# Altium PCB base-board_2.PcbDoc (part 1 of 3) (continued)
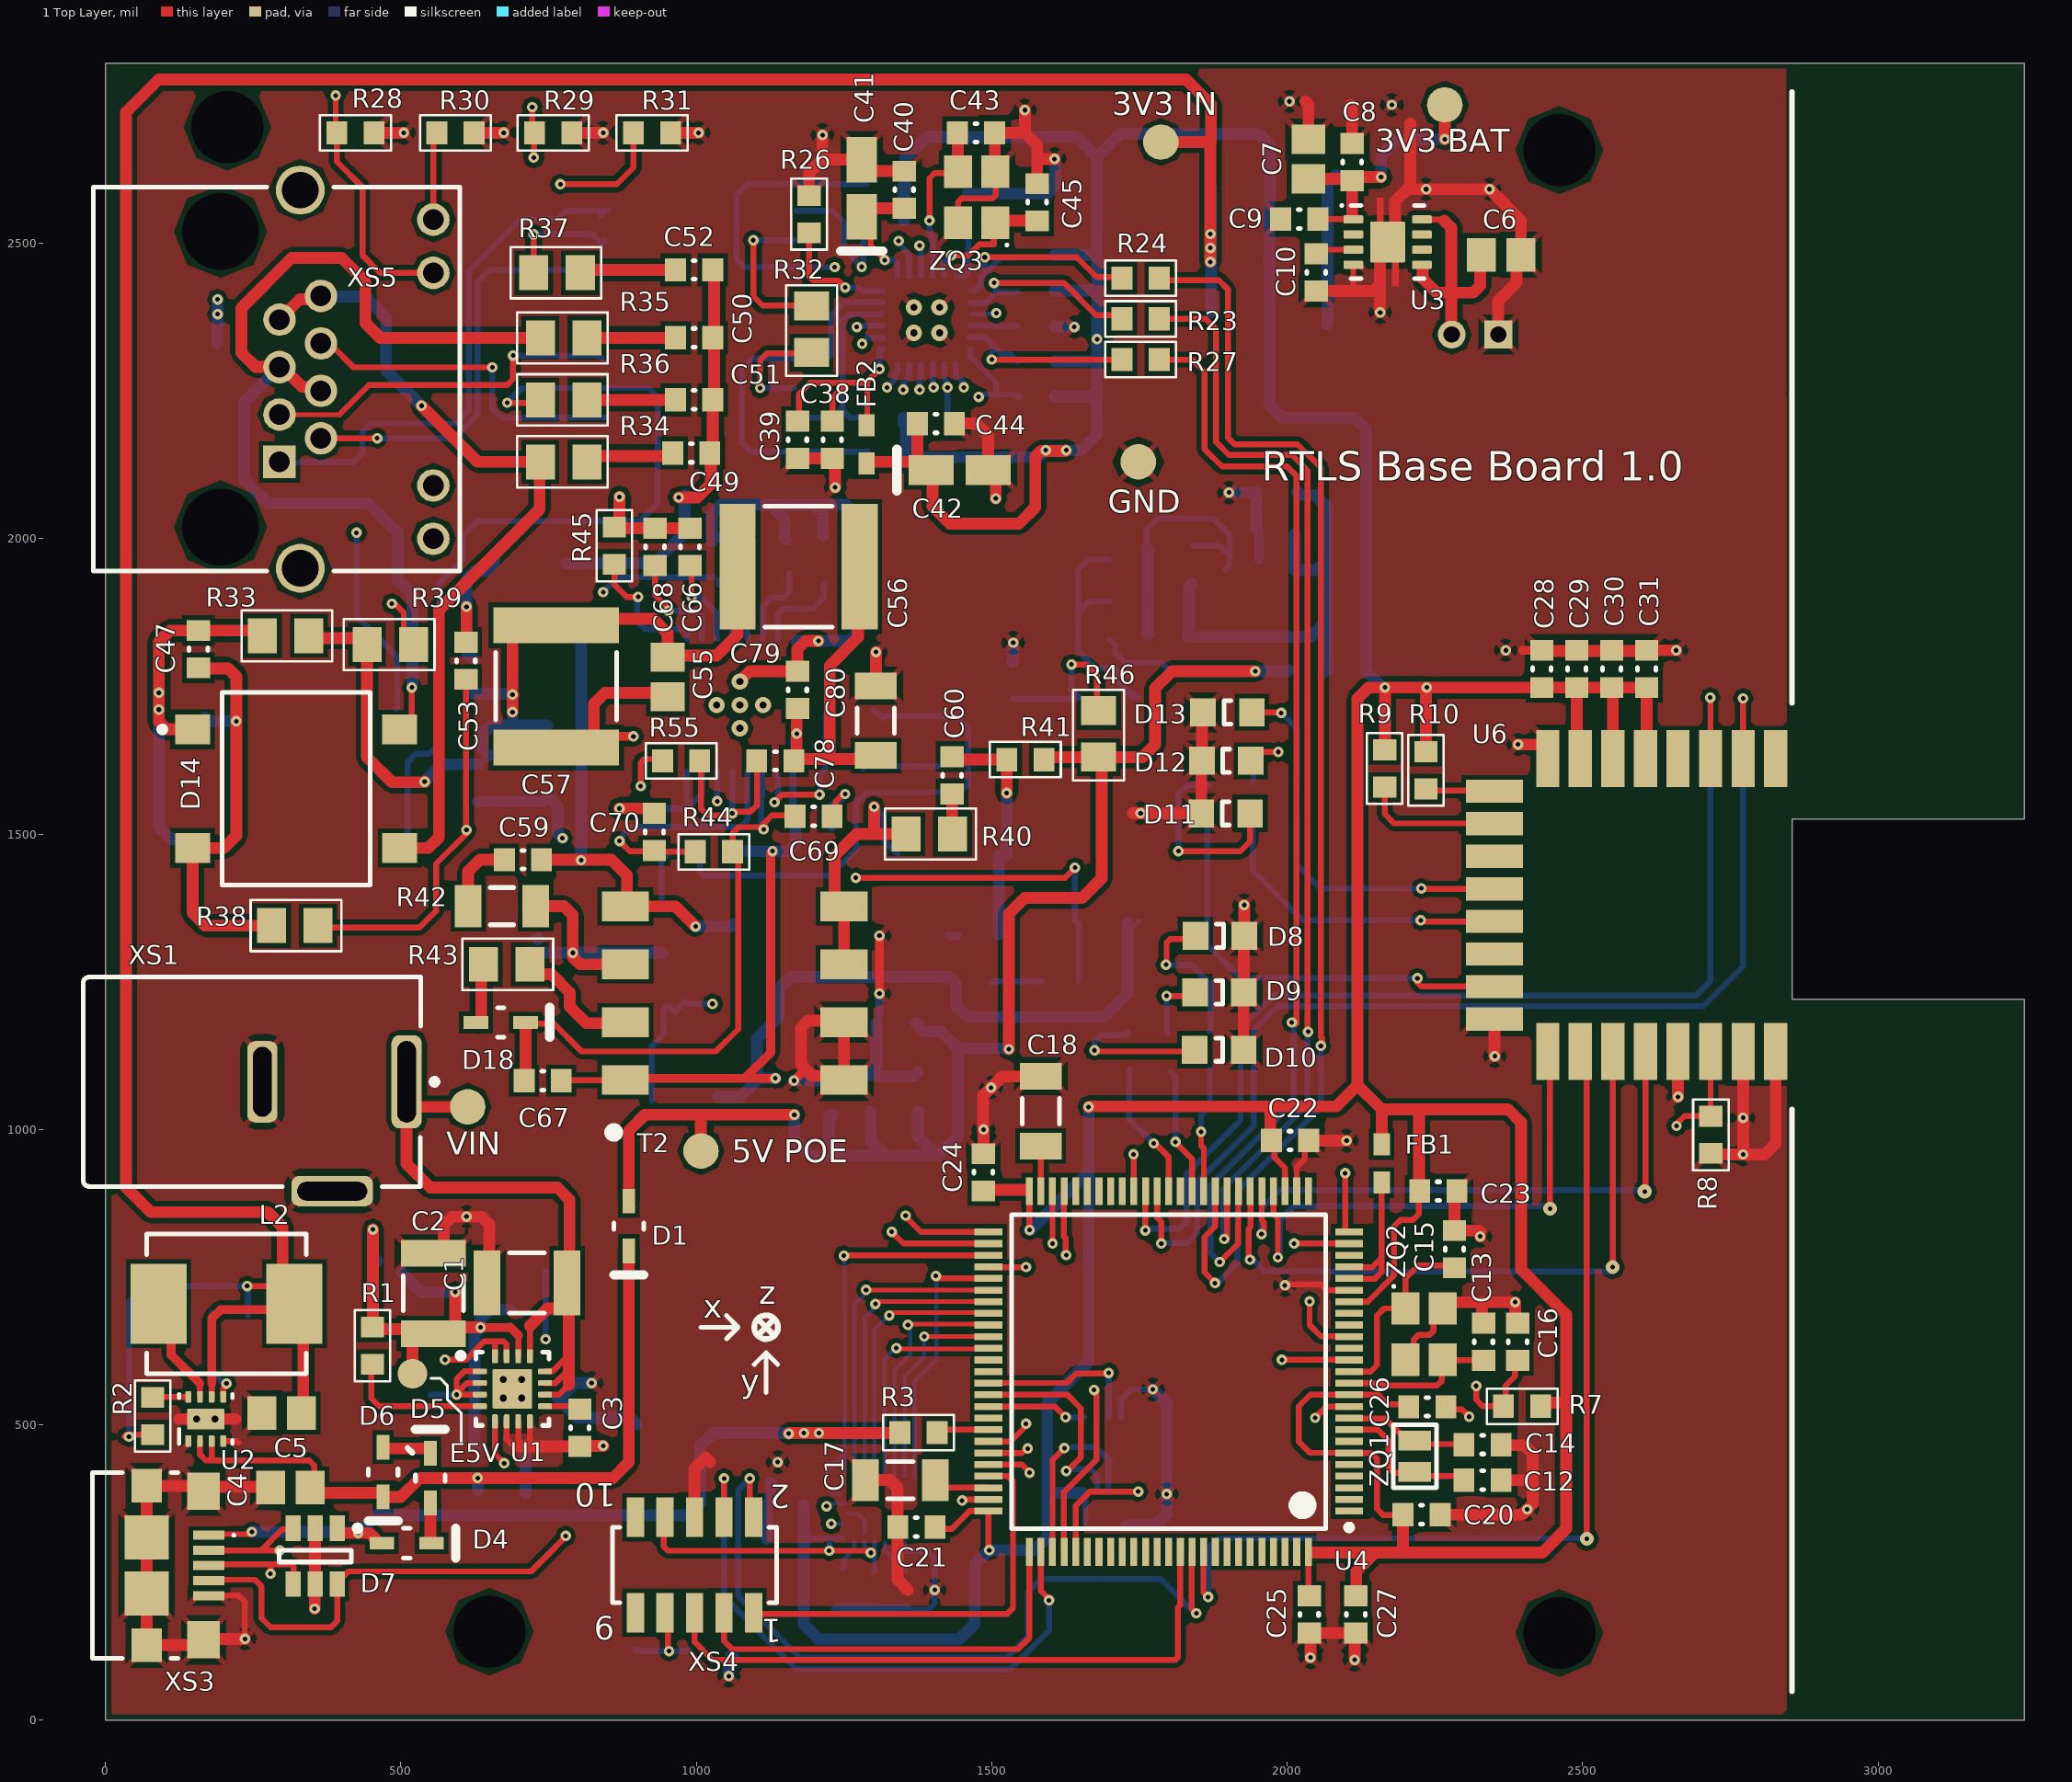
[diagram p0: 1 Top Layer view]
## Components (designator, comment, footprint, x,y, rotation, side; value= is the part's Value field where it differs from the comment)
C1 "C1210" C1210 645.67,740.16 r0 top value=10uF
C2 "C1210" C1210 555.12,790.35 r270 top value=22uF
C3 "C0603" C0603 803.15,463.58 r90 top value=3.3nF
C4 "C0805" C0805 279.53,393.7 r0 top value=10uF
C5 "C0805" C0805 265,520 r0 top value=22uF
C6 "C0805" C0805 2395.67,2480.31 r180 top value=1uF
C7 "C0805" C0805 2036,2675.93 r270 top value=1nF
C8 "C0603" C0603 2110,2668.99 r270 top value=100nF
C9 "C0603" C0603 1989.01,2541 r0 top value=10uF
C10 "C0603" C0603 2049.21,2419.29 r90 top value=10nF
C11 "C0603" C0603 1728,330 r180 bottom value=100nF
C12 "C0603" C0603 2362.2,406.5 r180 top value=12pF
C13 "C0603" C0603 2332.36,609.29 r90 top value=12pF
C14 "C0603" C0603 2362.2,466.54 r180 top value=12pF
C15 "C0603" C0603 2283,766 r90 top value=12pF
C16 "C0603" C0603 2390,671.99 r270 top value=100nF
C17 "C1206" C1206(3216) 1286.38,406.54 r0 top value=2.2uF
C18 "C1206" C1206(3216) 1583,1090.11 r270 top value=2.2uF
C19 "C0603" C0603 1058.99,110 r180 bottom value=100nF
C20 "C0603" C0603 2258.99,348 r180 top value=100nF
C21 "C0603" C0603 1341,327 r0 top value=100nF
C22 "C0603" C0603 2036.42,981.3 r180 top value=100nF
C23 "C0603" C0603 2287.4,895.67 r180 top value=100nF
C24 "C0603" C0603 1486,959 r270 top value=100nF
C25 "C0603" C0603 2037.4,147.64 r90 top value=100nF
C26 "C0603" C0603 2268.7,530.51 r180 top value=100nF
C27 "C0603" C0603 2116.14,210.63 r270 top value=4.7uF
C28 "C0603" C0603 2431.1,1748.03 r90 top value=1uF
C29 "C0603" C0603 2490.16,1748.03 r90 top value=100nF
C30 "C0603" C0603 2549.21,1748.03 r90 top value=100nF
C31 "C0603" C0603 2608.27,1748.03 r90 top value=100nF
C32 "C0603" C0603 1239,251 r270 bottom value=100nF
C33 "C0603" C0603 1355,187.01 r90 bottom value=10nF
C34 "C0603" C0603 1298,251 r270 bottom value=1uF
C35 "C0603" C0603 1182,364 r180 bottom value=100nF
C36 "C0603" C0603 1182,307 r180 bottom value=100nF
C37 "C0603" C0603 1459.65,2520.67 r90 bottom value=470pF
C38 "C0603" C0603 1230.32,2198.82 r270 top value=1uF
C39 "C0603" C0603 1171.26,2198.82 r270 top value=100nF
C40 "C0603" C0603 1351.81,2559.06 r90 top value=100nF
C41 "TPSA106K010R0900" TPSA106K010R1800 1280,2545 r90 top value=10uF
C42 "TPSA106K010R0900" TPSA106K010R1800 1397.64,2116.14 r0 top value=10uF
C43 "C0603" C0603 1441.93,2687.01 r0 top value=12pF
C44 "C0603" C0603 1374.02,2194.88 r0 top value=100nF
C45 "C0603" C0603 1577,2538 r90 top value=12pF
C46 "C0603" C0603 610.24,1803.15 r270 bottom value=1nF
C47 "C0603" C0603 157.48,1781.5 r90 top value=1nF
C48 "C0805" C0805 630,1555 r90 bottom value=100nF
C49 "C0603" C0603 1022.99,2145 r180 top value=1nF
C50 "C0603" C0603 1027.99,2340 r180 top value=1nF
C51 "C0603" C0603 1027.99,2235 r180 top value=1nF
C52 "C0603" C0603 1027.99,2455 r180 top value=1nF
C53 "C0603" C0603 610.24,1761.81 r90 top value=1nF
C54 "C1206" C1206(3216) 661.42,1964.57 r0 bottom value=1nF
C55 "C0805" C0805 951.77,1732.28 r90 top value=100nF
C56 "C2220" C2220 1276.57,1952.76 r180 top value=4.7uF
C57 "C2220" C2220 762.8,1646.65 r90 top value=4.7uF
C58 "C2220" C2220 1134,1363.69 r270 bottom value=4.7uF
C59 "C0603" C0603 675.2,1456.69 r0 top value=27pF
C60 "C0603" C0603 1433,1630.99 r270 top value=560pF
C61 "C0805" C0805 1305,1180 r0 bottom value=47uF
C62 "C0805" C0805 1375,1096.93 r270 bottom value=47uF
C63 "C0805" C0805 1295,1096.93 r270 bottom value=47uF
C64 "C0603" C0603 1225,1025 r90 bottom value=100nF
C65 "C0805" C0805 1445,1330 r0 bottom value=47uF
C66 "C0603" C0603 989.41,1954.57 r90 top value=10nF
C67 "C0603" C0603 771.65,1082.68 r180 top value=1uF
C68 "C0603" C0603 930.35,1954.57 r90 top value=100nF
C69 "C0603" C0603 1230,1530 r180 top value=100nF
C70 "C0603" C0603 929,1534.99 r270 top value=100nF
C71 "C0603" C0603 1535.43,1728.35 r90 bottom value=1uF
C72 "C0603" C0603 1026.57,1995.08 r270 bottom value=1nF
C73 "C0603" C0603 1152.56,2000 r270 bottom value=10nF
C74 "C0603" C0603 1840,1924 r90 bottom value=100pF
C75 "C0603" C0603 1437.01,1250 r0 bottom value=100nF
C76 "C0603" C0603 1762.99,1894 r180 bottom value=10nF
C77 "C0603" C0603 1765,1835 r180 bottom value=22nF
C78 "C0603" C0603 1165.35,1624.02 r180 top value=470pF
C79 "C0603" C0603 1171.26,1712.6 r90 top value=1nF
C80 "C1206" C1206(3216) 1304,1632.89 r90 top value=1nF
D1 "BAT60A" SOD-323-2 885.83,836.61 r270 top
D2 "BAT60A" SOD-323-2 669.29,462.6 r0 bottom
D3 "BAT60A" SOD-323-2 672.05,383.86 r180 bottom
D4 "BAT60A" SOD-323-2 510,300 r0 top
D5 "BAT60A" SOD-323-2 550,410 r90 top
D6 "BAT60A" SOD-323-2 470,420 r270 top
D7 "ESDA6V1BC6" SOT-23-6 355,277.76 r270 top
D8 "LED0805" LED0805 1886.27,1327.92 r180 top
D9 "LED0805" LED0805 1885.34,1232 r180 top
D10 "LED0805" LED0805 1885,1135 r180 top
D11 "LED0805" LED0805 1896,1535 r0 top
D12 "LED0805" LED0805 1897,1624 r0 top
D13 "LED0805" LED0805 1899,1706 r0 top
D14 "DF01S" SDIP-4 147.64,1677.17 r270 top
D15 "DF01S" SDIP-4 159.61,1489.21 r90 bottom
D16 "SMAJ58A" DO-214AC-2_N 748.03,1624.02 r90 bottom
D17 "STPS2L40U" SMB-2 1427.17,1466.54 r0 bottom
D18 "BAT46J" SOD-323-2 669.29,1181.1 r0 top
D19 "BAT46J" SOD-323-2 1405,1660 r270 bottom
FB1 "BLM18PG121SN1D" BLM18 2160,910 r90 top
FB2 "BLM18PG121SN1D" BLM18 1288,2191.96 r270 top
L1 "LQH55PN2R2NR0" IND2220 501.97,527.87 r90 bottom value=2.2uH
L2 "LQH55PN2R2NR0" IND2220 90,705 r0 top value=2.2uH
L3 "ME3220" ME3220 793.31,1843.5 r180 bottom
R1 "R0603" SMD0603 452,634 r90 top value=100k
R2 "R0603" SMD0603 80,515 r270 top value=100k
R3 "" SMD0603 1376,487 r0 top value=10K
R4 "1K" SMD0603 1870.08,1133.86 r270 bottom
R5 "" SMD0603 1801.18,1131.89 r270 bottom value=1K
R6 "" SMD0603 1732.28,1133.86 r270 bottom value=1K
R7 "R0603" SMD0603 2397.64,531.5 r0 top value=4.7K
R8 "10K" SMD0603 2717,991 r90 top value=1K
R9 "R0603" SMD0603 2165,1611 r90 top value=10K
R10 "R0603" SMD0603 2235,1608 r90 top value=10K
R11 "1K" SMD0603 1868,1553 r270 bottom
R12 "1K" SMD0603 1942,1555 r270 bottom
R13 "1K" SMD0603 2018,1560 r270 bottom
R14 "R0603" SMD0603 1318.9,2543.31 r0 bottom value=50
R15 "R0603" SMD0603 1318.9,2602.36 r0 bottom value=50
R16 "R0603" SMD0603 1322.83,2129.92 r0 bottom value=50
R17 "R0603" SMD0603 1318.9,2204.72 r0 bottom value=50
R18 "R0603" SMD0603 1575,2420 r0 bottom value=10K
R19 "R0603" SMD0603 1575,2480 r0 bottom value=10K
R20 "R0603" SMD0603 1575,2300 r0 bottom value=10K
R21 "R0603" SMD0603 1575,2240 r0 bottom value=10K
R22 "R0603" SMD0603 1433.07,2169.29 r270 bottom value=10K
R23 "R0603" SMD0603 1751.97,2372.05 r0 top value=33
R24 "R0603" SMD0603 1751.97,2440.94 r0 top value=33
R25 "R0603" SMD0603 1575,2360 r180 bottom value=10K
R26 "R0603" SMD0603 1190.94,2549.21 r270 top value=12K1
R27 "R0603" SMD0603 1751.97,2303.15 r0 top value=33
R28 "R0603" SMD0603 423.23,2687.01 r180 top value=10K
R29 "R0603" SMD0603 757.87,2687.01 r180 top value=10K
R30 "R0603" SMD0603 592.52,2687.01 r180 top value=330
R31 "R0603" SMD0603 925.2,2687.01 r180 top value=330
R32 "R0805" SMD0805 1195,2393.74 r270 top value=0
R33 "R0805" SMD0805 265.75,1835.63 r0 top value=0
R34 "R0805" SMD0805 815,2130 r180 top value=75
R35 "R0805" SMD0805 815,2340 r180 top value=75
R36 "R0805" SMD0805 815,2235 r180 top value=75
R37 "R0805" SMD0805 803.74,2450 r180 top value=75
R38 "R0805" SMD0805 281.26,1345 r0 top value=0
R39 "R0805" SMD0805 521.65,1820.87 r180 top value=10
R40 "R0805" SMD0805 1355,1500 r0 top value=15
R41 "R0603" SMD0603 1557,1626 r0 top value=0
R42 "R1206" R1206(3216) 671.26,1377.95 r0 top value=200
R43 "R0805" SMD0805 639.76,1279.53 r0 top value=68
R44 "R0603" SMD0603 1030,1470 r180 top value=10K
R45 "R0603" SMD0603 861.46,1988.03 r90 top value=124K
R46 "R0805" SMD0805 1681,1709 r270 top value=0
R47 "R0603" SMD0603 1198,1513 r0 bottom value=0
R48 "R0603" SMD0603 1616,1251 r0 bottom value=1K
R49 "R0603" SMD0603 1088.58,1971.46 r270 bottom value=2K
R50 "R0805" SMD0805 1232.28,1700.79 r0 bottom value=56
R51 "R0603" SMD0603 1216.54,1974.41 r270 bottom value=75K
R52 "R0603" SMD0603 1250,1614.17 r0 bottom value=0
R53 "R0603" SMD0603 1733,1980 r180 bottom value=1K
R54 "R0603" SMD0603 2033.5,1780 r0 bottom value=20K
R55 "R0603" SMD0603 974.41,1624.02 r180 top value=510
R56 "R0603" SMD0603 1834,1803 r270 bottom value=10K
R57 "R1206" R1206(3216) 982,1048 r180 bottom value=0.47
R58 "R0603" SMD0603 1038,1471 r180 bottom value=10K
R59 "R0603" SMD0603 1984.25,2015.75 r180 bottom value=13K
R60 "R0603" SMD0603 1980,2078 r180 bottom value=13K
R61 "R0805" SMD0805 188.74,2330 r180 bottom value=0
R62 "R0603" SMD0603 715,695 r180 bottom value=383k
R63 "R0603" SMD0603 715,765 r0 bottom value=123k
R64 "R0603" SMD0603 210,685 r0 bottom value=383k
R65 "R0603" SMD0603 210,615 r180 bottom value=123k
SB1 "FSMSM" FSMSM-2 900,320 r90 bottom
SW1 "JS202011SCQN" JS202011SCQN 1970,2485 r180 bottom
T1 "H2019NL" H2019NL 1006.4,2380.12 r180 bottom
T2 "POE30P-50L" POE30P 880,1083.53 r0 top
U1 "TPS62143" QFN-16 688.98,561.02 r0 top
U2 "TPS62162" SON-8 170,510 r90 top
U3 "TPS73633DRBR" VSON-8 2170,2502 r0 top
U4 "STM32F207VET6" STM-LQFP100_V 2104.8,354.05 r180 top
U5 "MX25L1606EMI-12G" SOP-8 1688,450 r270 bottom
U6 "DWM1000" DWM1000 2342.52,1635.63 r270 top
U7 "LSM9DS1" STM-LGA-24_3500X3000X1000 1310.14,357.95 r0 bottom
U8 "LAN8742A" QFN-24 1390,2370 r270 bottom
U9 "PM8800A" HTSSOP16 1073.82,1718.5 r270 bottom
U10 "SFH6156" SFH6156(VISH) 1698,1543 r270 bottom
U11 "TS431" SOT-23-5 1959,1909 r0 bottom
VT1 "STN4NF20L" SOT-223 826.77,1299.21 r180 bottom
XS1 "PowerJack" PowerJack 265.75,1080.71 r180 top
XS2 "S2B-PH-K-S" S2B-PH-K-S 2317.91,2249.02 r180 bottom
XS3 "TE-1981568" TECO-1981568-5_V 175.16,262.01 r270 top
XS4 "PLD1.27-10S" PLD1.27-10S 1097,182 r180 top
XS5 "DS1128-09" RJ45-AMPH 329.8,2269.92 r270 top
ZQ1 "32.768kHz" DST210A 2216.12,446.86 r270 top
ZQ2 "12 MHz" NX3225 2231.61,653.74 r270 top
ZQ3 "12 MHz" NX3225 1474.41,2577.76 r90 top

## Footprints (in the part's own frame and the unit in brackets; to place one, negate y for a bottom-side part, rotate by r counter-clockwise, add the part's x,y. Pads: shape width x height; smd on the part's side, far side on the other; paste and mask are expansions set on the pad)
BLM18 [mm] "MURATA, Chip Ferrite Bead, 2-Leads, Body 1.6x0.8mm, Height 0.95mm, Flow"
  rect 0.95x0.7 smd: 1(0,0) 2(1.65,0)
  body extent 0.02,-0.4 1.63,0.4, height 0.95
C0603 [mm] "Chip Capacitor, Body 1.6x0.8mm, Height 1.0mm, IPC Medium Density"
  rect 0.9x1 smd: 1(0,0) 2(1.6,0)
  silkscreen extent 0.75,-0.4 0.85,0.4, body extent -0.08,-0.48 1.68,0.47, height 1
C0805 [mm] "Chip Capacitor, 2-Leads, Body 2.00x1.25mm, IPC Medium Density"
  rect 1.25x1.45 smd: 1(0,0) 2(1.7,0)
  body extent -0.23,-0.7 1.92,0.7, height 1.4
C1206(3216) [mm] "Chip Capacitor, Body 3.2x1.6mm, Height 1.1mm, IPC Medium Density"
  rect 1.15x1.8 smd: 1(0,0) 2(3,0)
  silkscreen extent 0.95,-0.8 2.05,0.8, body extent -0.2,-0.9 3.2,0.9, height 1.1
C1210 [mm] "Chip Capacitor, 2-Leads, Body 3.5x2.7mm, IPC Medium Density"
  rect 1.15x2.8 smd: 1(0,0) 2(3.45,0)
  silkscreen extent 0.97,-1.3 2.47,1.3, body extent -0.03,-1.35 3.47,1.35, height 2.7
C2220 [mm] "Chip Capacitor, Body 5.7x5.0mm, Height 2.3mm, IPC Medium Density"
  rect 1.55x5.4 smd: 1(0,0) 2(5.25,0)
  silkscreen extent 1.17,-2.6 4.08,2.6, body extent -0.43,-2.7 5.68,2.7, height 2.3
DO-214AC-2_N [mm] "DO-214AC, 2-Leads, Body 4.5x2.79mm, IPC Medium Density"
  rect 2.4x1.55 smd: 1(-1.778,0) 2(1.778,0)
  silkscreen extent -2.25,-1.4 3.43,1.4, body extent -2.25,-1.4 2.25,1.39, height 2.29
DST210A [mm]
  rect 0.85x1.4 smd: 1(-0.675,0) 2(0.675,0)
  silkscreen extent -1.35,-0.92 1.35,0.92, body extent -0.9,-0.6 0.9,0.6, height 0.5
DWM1000 [mm]
  rect 2.45x1 smd: 1(0.205,12.3) 2(0.205,10.9) 3(0.205,9.5) 4(0.205,8.1) 5(0.205,6.7) 6(0.205,5.3) 7(0.205,3.9) 8(0.205,2.5) 17(12.795,2.5) 18(12.795,3.9) 19(12.795,5.3) 20(12.795,6.7) 21(12.795,8.1) 22(12.795,9.5) 23(12.795,10.9) 24(12.795,12.3)
  rect 1x2.45 smd: 9(1.6,0.205) 10(3,0.205) 11(4.4,0.205) 12(5.8,0.205) 13(7.2,0.205) 14(8.6,0.205) 15(10,0.205) 16(11.4,0.205)
  body extent 0,-0.01 13,22.99, height 2.9
FSMSM-2 [mm] "Switch SMD, 2-Leads, Body 6x3.5mm, Pitch 9.19mm"
  rect 2.2x1.6 smd: 1(-4.595,0)
  rect 2.18x1.6 smd: 2(4.595,0)
  silkscreen extent -6.37,-1.75 3,1.75, body extent -4.98,-1.75 4.98,1.75, height 4.4
H2019NL [mm]
  rect 2.035x0.76 smd: 1(-4.062,4.445) 2(-4.062,3.175) 3(-4.062,1.905) 4(-4.062,0.635) 5(-4.062,-0.635) 6(-4.062,-1.905) 7(-4.062,-3.175) 8(-4.062,-4.445) 9(4.062,-4.445) 10(4.062,-3.175) 11(4.062,-1.905) 12(4.062,-0.635) 13(4.062,0.635) 14(4.062,1.905) 15(4.062,3.175) 16(4.062,4.445)
  silkscreen extent -6.2,-6.35 4.4,6.35, body extent -3.68,-6.35 3.68,6.35, height 6
HTSSOP16 [mm] "TSOP, 16-Leads, Body 5x4.4mm, Pitch 0.65mm, Thermal Pad 3x3mm, IPC Medium Density"
  oval 1.7x0.35 smd: 1(-2.85,2.275) 2(-2.85,1.625) 3(-2.85,0.975) 4(-2.85,0.325) 5(-2.85,-0.325) 6(-2.85,-0.975) 7(-2.85,-1.625) 8(-2.85,-2.275) 9(2.85,-2.275) 10(2.85,-1.625) 11(2.85,-0.975) 12(2.85,-0.325) 13(2.85,0.325) 14(2.85,0.975) 15(2.85,1.625) 16(2.85,2.275)
  rect 3x3 smd paste-1.5: 17(0,0)
  silkscreen extent -2.97,-2.55 1.6,3.12, body extent -2.25,-2.55 2.25,2.55, height 1.2
IND2220 [mil] "IND SMD"
  rect 95x135 smd: 1(0,0) 2(230,0)
  silkscreen extent -20,-118 250,118, body extent 3,-98 227,98, height 185
JS202011SCQN [mm] "Switch, SMD, 6-Leads, Body 9x3.6mm, Pitch 2.5mm"
  rect 1.2x2.5 smd: 1(-2.5,-2.75) 2(0,-2.75) 3(2.5,-2.75) 4(-2.5,2.75) 5(0,2.75) 6(2.5,2.75)
  silkscreen extent -4.5,-4.67 4.5,1.8, body extent -4.5,-1.8 4.5,1.8, height 5.5
LED0805 [mm] "Chip LED, 2-Leads, Body 2.0x1.3mm, IPC Medium Density"
  rect 1.1x1.2 smd: 1(-1.05,0) 2(1.05,0)
  silkscreen extent -0.15,-0.5 0.15,0.5, body extent -1,-0.62 1,0.63, height 0.68
ME3220 [mm]
  rect 1.5x3 smd: 1(0,0) 2(2.5,0)
  silkscreen extent 0,-1.7 2.5,1.7, body extent -0.5,-1.4 3,1.4, height 2.4
NX3225 [mm]
  rect 1.4x1.2 smd: 1(-1.1,-0.8) 2(1.1,-0.8) 3(1.1,0.8) 4(-1.1,0.8)
  silkscreen extent -2.1,-1.35 -2,-1.25, body extent -1.65,-1.3 1.65,1.3, height 0.9
PLD1.27-10S [mm] "Socket Header, Pitch 1.27 mm, SMT, Vertical, dual row, 10p"
  rect 0.74x1.7 smd: 1(0,0) 2(0,-4.1) 3(1.27,0) 4(1.27,-4.1) 5(2.54,0) 6(2.54,-4.1) 7(3.81,0) 8(3.81,-4.1) 9(5.08,0) 10(5.08,-4.1)
  silkscreen extent -0.98,-3.68 6.06,-0.43, body extent -0.84,-4.35 5.91,0.25, height 4.6
POE30P [mil]
  rect 80x50 smd: 1(0,0) 2(0,98) 3(0,196) 4(0,294) 5(370,294) 6(370,196) 7(370,98) 8(370,0)
  silkscreen extent -28,-96 -12,-81, body extent -67,-67 453,363, height 355
PowerJack [mm] "Power Jack, 3-Leads, Body 14.5x9mm"
  rrect50% 1.3x4 hole 0.8 slot 3.5 at 90 deg: 1(-6.2,0)
  rrect50% 1.3x3.5 hole 0.8 slot 3 at 90 deg: 2(0,0)
  rrect50% 3.5x1.3 hole 0.8 slot 3 at 0 deg: 3(-3,4.7)
  silkscreen extent -7.53,-4.5 7.7,4.5, body extent -6.8,-4.5 7.7,4.9, height 10.8
QFN-16 [mm] "QFN, 16-Leads, Body 3x3mm, Pitch 0.5mm, Thermal Pad 1.65x1.65mm"
  rrect40% 0.6x0.25 smd: 1(-1.4,0.75) 2(-1.4,0.25) 3(-1.4,-0.25) 4(-1.4,-0.75) 9(1.4,-0.75) 10(1.4,-0.25) 11(1.4,0.25) 12(1.4,0.75)
  rrect40% 0.25x0.6 smd: 5(-0.75,-1.4) 6(-0.25,-1.4) 7(0.25,-1.4) 8(0.75,-1.4) 13(0.75,1.4) 14(0.25,1.4) 15(-0.25,1.4) 16(-0.75,1.4)
  rrect6% 1.7x1.7 smd paste-0.85: 17(0,0)
  silkscreen extent -2.35,-1.57 1.57,1.58, body extent -1.5,-1.5 1.5,1.5, height 1
QFN-24 [mm] "QFN, 24-Leads, Body 4.1x4.1mm, Pitch 0.5mm, Thermal Pad 2.50x2.50mm"
  oval 0.69x0.28 smd: 1(-1.882,1.25) 2(-1.882,0.75) 3(-1.882,0.25) 4(-1.882,-0.25) 5(-1.882,-0.75) 6(-1.882,-1.25) 13(1.883,-1.25) 14(1.883,-0.75) 15(1.883,-0.25) 16(1.883,0.25) 17(1.883,0.75) 18(1.883,1.25)
  oval 0.28x0.69 smd: 7(-1.25,-1.882) 8(-0.75,-1.882) 9(-0.25,-1.882) 10(0.25,-1.882) 11(0.75,-1.882) 12(1.25,-1.882) 19(1.25,1.883) 20(0.75,1.883) 21(0.25,1.883) 22(-0.25,1.883) 23(-0.75,1.883) 24(-1.25,1.883)
  rect 2.5x2.5 smd paste-2: 25(0,0)
  silkscreen extent -2.97,-2.2 2.2,2.2, body extent -2.05,-2.05 2.05,2.05, height 1
R1206(3216) [mm] "Chip Resistor, Body 3.2x1.6mm, IPC Medium Density"
  rect 1.15x1.8 smd: 1(-1.45,0) 2(1.45,0)
  silkscreen extent -0.5,-0.8 0.5,0.8, body extent -1.67,-0.87 1.67,0.87, height 0.75
RJ45-AMPH [mm] "THD, 12-Leads, Body 16.51x15.75mm"
  rect 1.4x1.4 hole 0.89 mask+0.102: 1(3.56,-0.89)
  round 1.4 hole 0.89 mask+0.102: 2(2.54,0.89) 3(1.52,-0.89) 4(0.5,0.89) 5(-0.52,-0.89) 6(-1.54,0.89) 7(-2.56,-0.89) 8(-3.58,0.89) 9(-6.86,5.72) 10(-4.57,5.72) 11(4.57,5.72) 12(6.86,5.72)
  round 2.1 hole 1.57: 13(-8.13,0) 14(8.13,0)
  round 0 hole 3.3 unplated mask+0.102: MH1(-6.35,-3.43) MH2(6.35,-3.43)
  silkscreen extent -8.26,-8.89 8.26,6.86, body extent -8.42,-9.14 8.42,7.06, height 14.89
S2B-PH-K-S [mm] "THD, 2-Leads, Body 7.6x5.9mm, Pitch 2mm"
  rect 1.2x1.2 hole 0.7: 1(-1,2.45)
  round 1.2 hole 0.7: 2(1,2.45)
  silkscreen extent -2.95,-3.8 2.95,4.35, body extent -2.95,-3.8 2.95,3.8, height 4.8
SDIP-4 [mm] "SMD, 4-Leads, Body 8.28x6.35mm, Pitch 5.1mm"
  rect 1.3x1.5 smd: 1(0,0) 2(5.1,0) 3(5.1,8.9) 4(0,8.9)
  silkscreen extent -1.59,-1.42 6.69,7.63, body extent -0.36,1.73 7.92,8.08, height 2.84
SFH6156(VISH) [mm] "SMD, 4-Leads, Body 6.645x4.69mm, Pitch 2.54mm"
  rect 1.525x1.78 smd: 1(-4.763,1.27) 2(-4.763,-1.27) 3(4.763,-1.27) 4(4.763,1.27)
  silkscreen extent -4.89,-2.34 3.32,2.83, body extent -3.32,-2.34 3.32,2.34, height 4.06
SMB-2 [mil] "Molded, 2-Leads, Body 4.6x3.95mm"
  rect 85x107.99 smd: 1(-87.01,0) 2(87.01,0)
  silkscreen extent -91,-79 145,79, body extent -91,-78 91,78, height 97
SMD0603 [mm] "Chip Resistor, Body 1.6x0.8mm, IPC Medium Density"
  rect 0.9x1 smd: 1(-0.8,0) 2(0.8,0)
  silkscreen extent -1.52,-0.76 1.52,0.76, body extent -0.85,-0.47 0.85,0.47, height 0.6
SMD0805 [mm] "Chip Resistor, Body 2.0x1.3mm, IPC Low Density"
  rect 1.25x1.5 smd: 1(0,0) 2(2,0)
  silkscreen extent -0.9,-1.1 3,1.1, body extent -0.05,-0.67 2.15,0.67, height 0.7
SOD-323-2 [mm] "SMD, 2-Leads, Body 1.66x1.28mm"
  rect 1.06x0.54 smd: 1(-1.07,0) 2(1.07,0)
  silkscreen extent -0.14,-0.64 2.1,0.64, body extent -0.83,-0.64 0.83,0.64, height 1.17
SON-8 [mm] "SON, 8-Leads, Body 2x2mm, Pitch 0.5mm, Thermal Pad 1.6x0.9mm, TI Recommended"
  rrect40% 0.5x0.25 smd: 1(-0.95,0.75) 2(-0.95,0.25) 3(-0.95,-0.25) 4(-0.95,-0.75) 5(0.95,-0.75) 6(0.95,-0.25) 7(0.95,0.25) 8(0.95,0.75)
  rrect11% 0.9x1.6 smd paste-0.45: 9(0,0)
  silkscreen extent -1.07,-1.15 1.07,1.15, body extent -1.05,-1.05 1.05,1.05, height 0.8
SOP-8 [mm] "SOP, 8-Leads, Body 2.4x2.1mm, Pitch 0.5mm, IPC Medium Density"
  rrect33% 0.8x0.3 smd: 1(-1.6,0.75) 2(-1.6,0.25) 3(-1.6,-0.25) 4(-1.6,-0.75) 5(1.6,-0.75) 6(1.6,-0.25) 7(1.6,0.25) 8(1.6,0.75)
  silkscreen extent -1.72,-1.05 0.8,1.57, body extent -1.56,-1 1.56,1, height 0.9
SOT-23-5 [mm] "SOT23, 5-Leads, Body 3.05x1.75mm, Pitch 0.95mm, IPC Medium Density"
  rrect17% 1x0.6 smd: 1(-1.375,0.95) 2(-1.375,0) 3(-1.375,-0.95) 4(1.375,-0.95) 5(1.375,0.95)
  silkscreen extent -1.5,-1.55 0.5,1.92, body extent -1.42,-1.46 1.42,1.46, height 1.08